# Altium PCB PCB1.PcbDoc
Units mil, origin at the board's own origin, x right, y up, seen from the top; angles counter-clockwise.
Board outline 3140 x 3140 mil, 2 copper layers (Top Layer, Bottom Layer); 51 components, 57 nets, 370 pads, 196 vias.
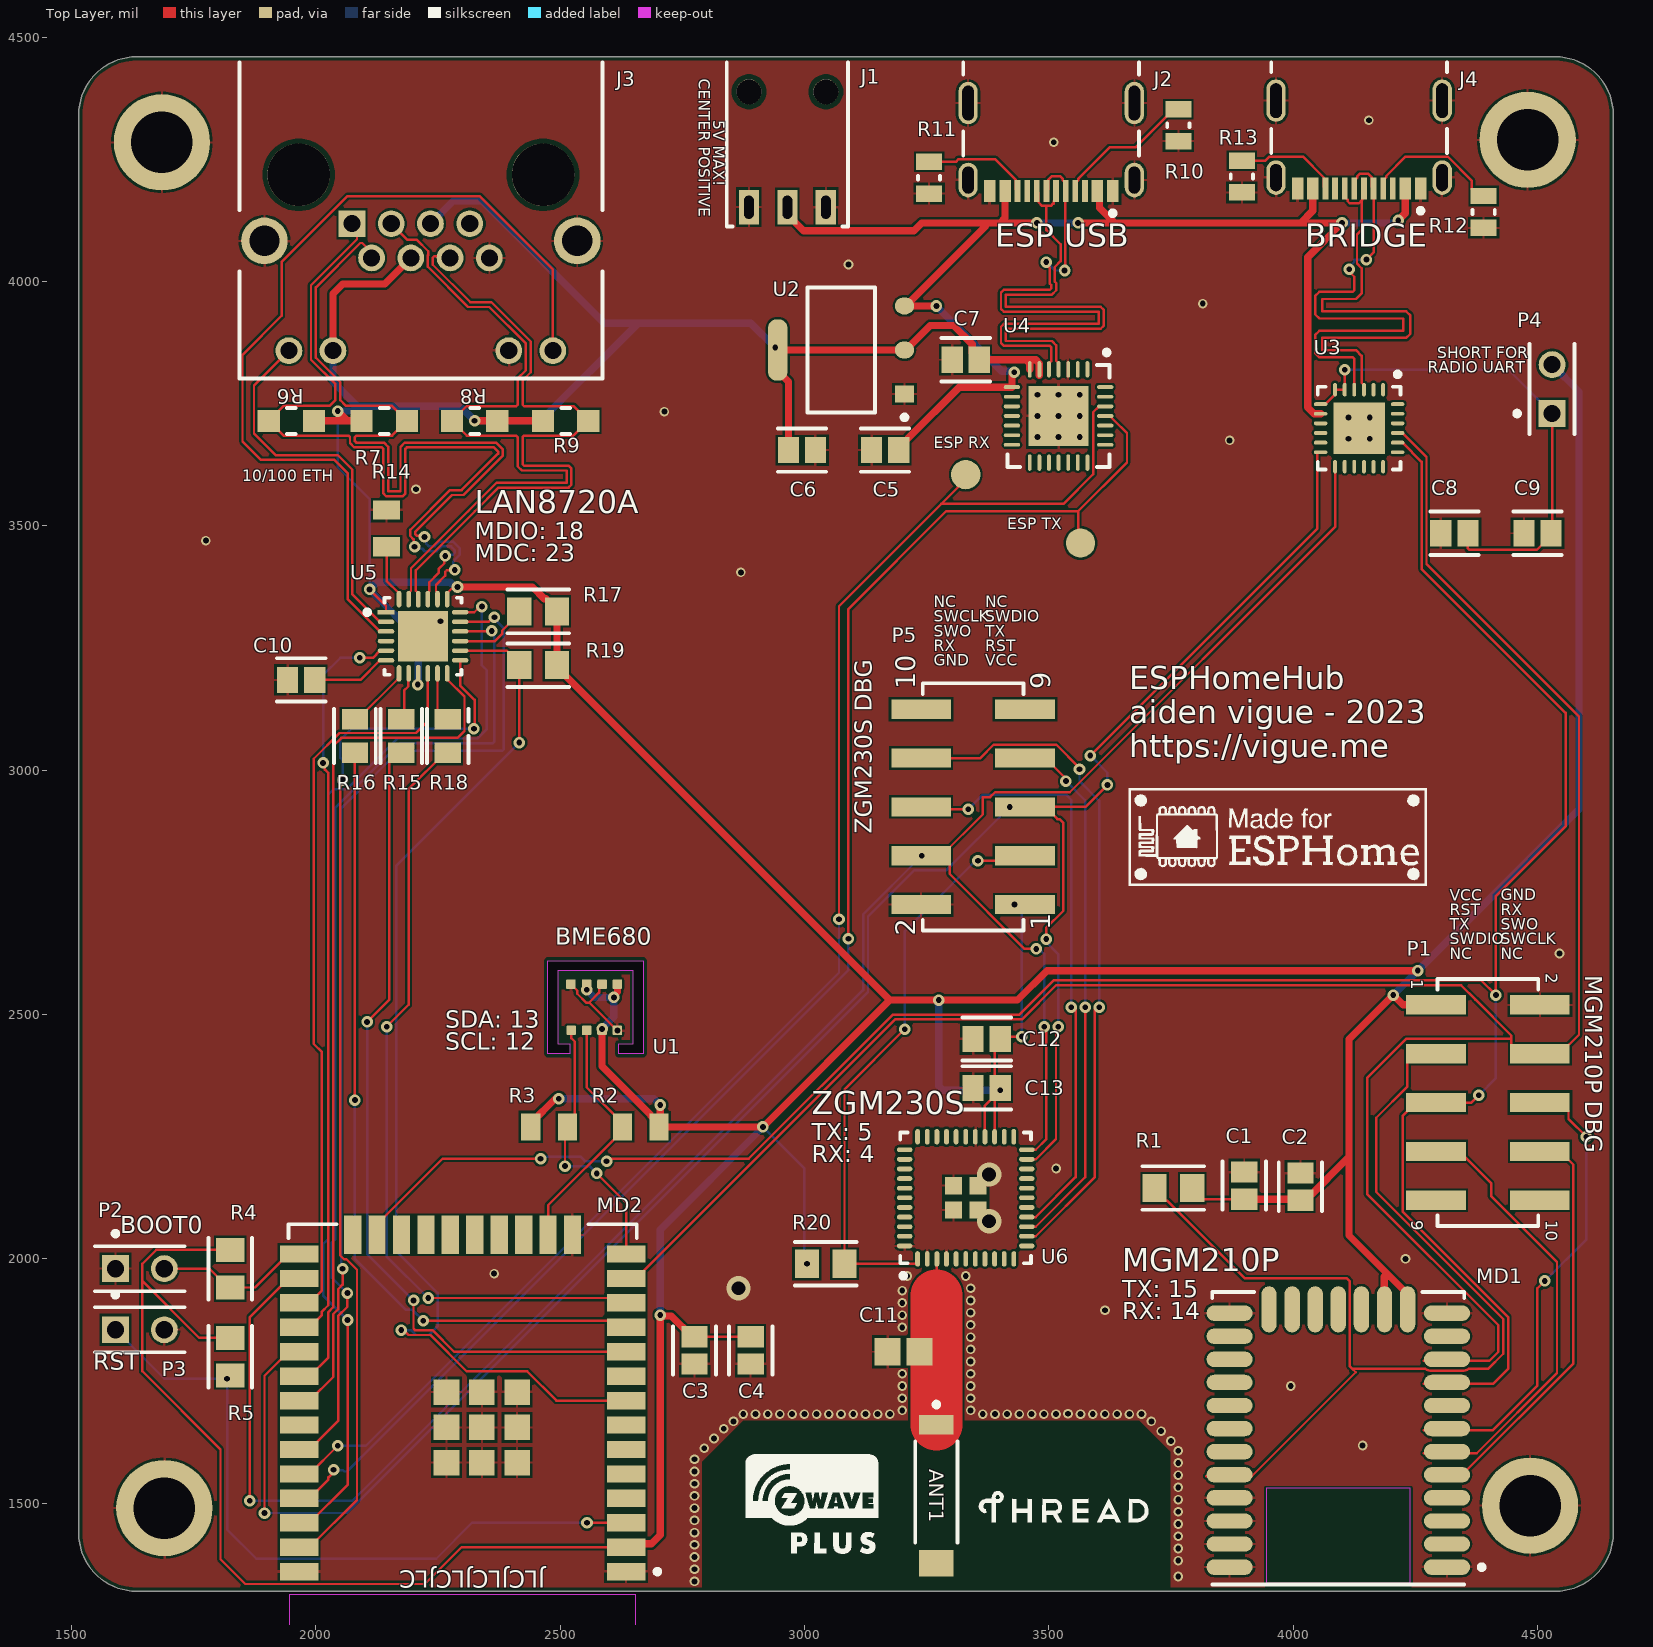
[diagram p0: Top Layer view]
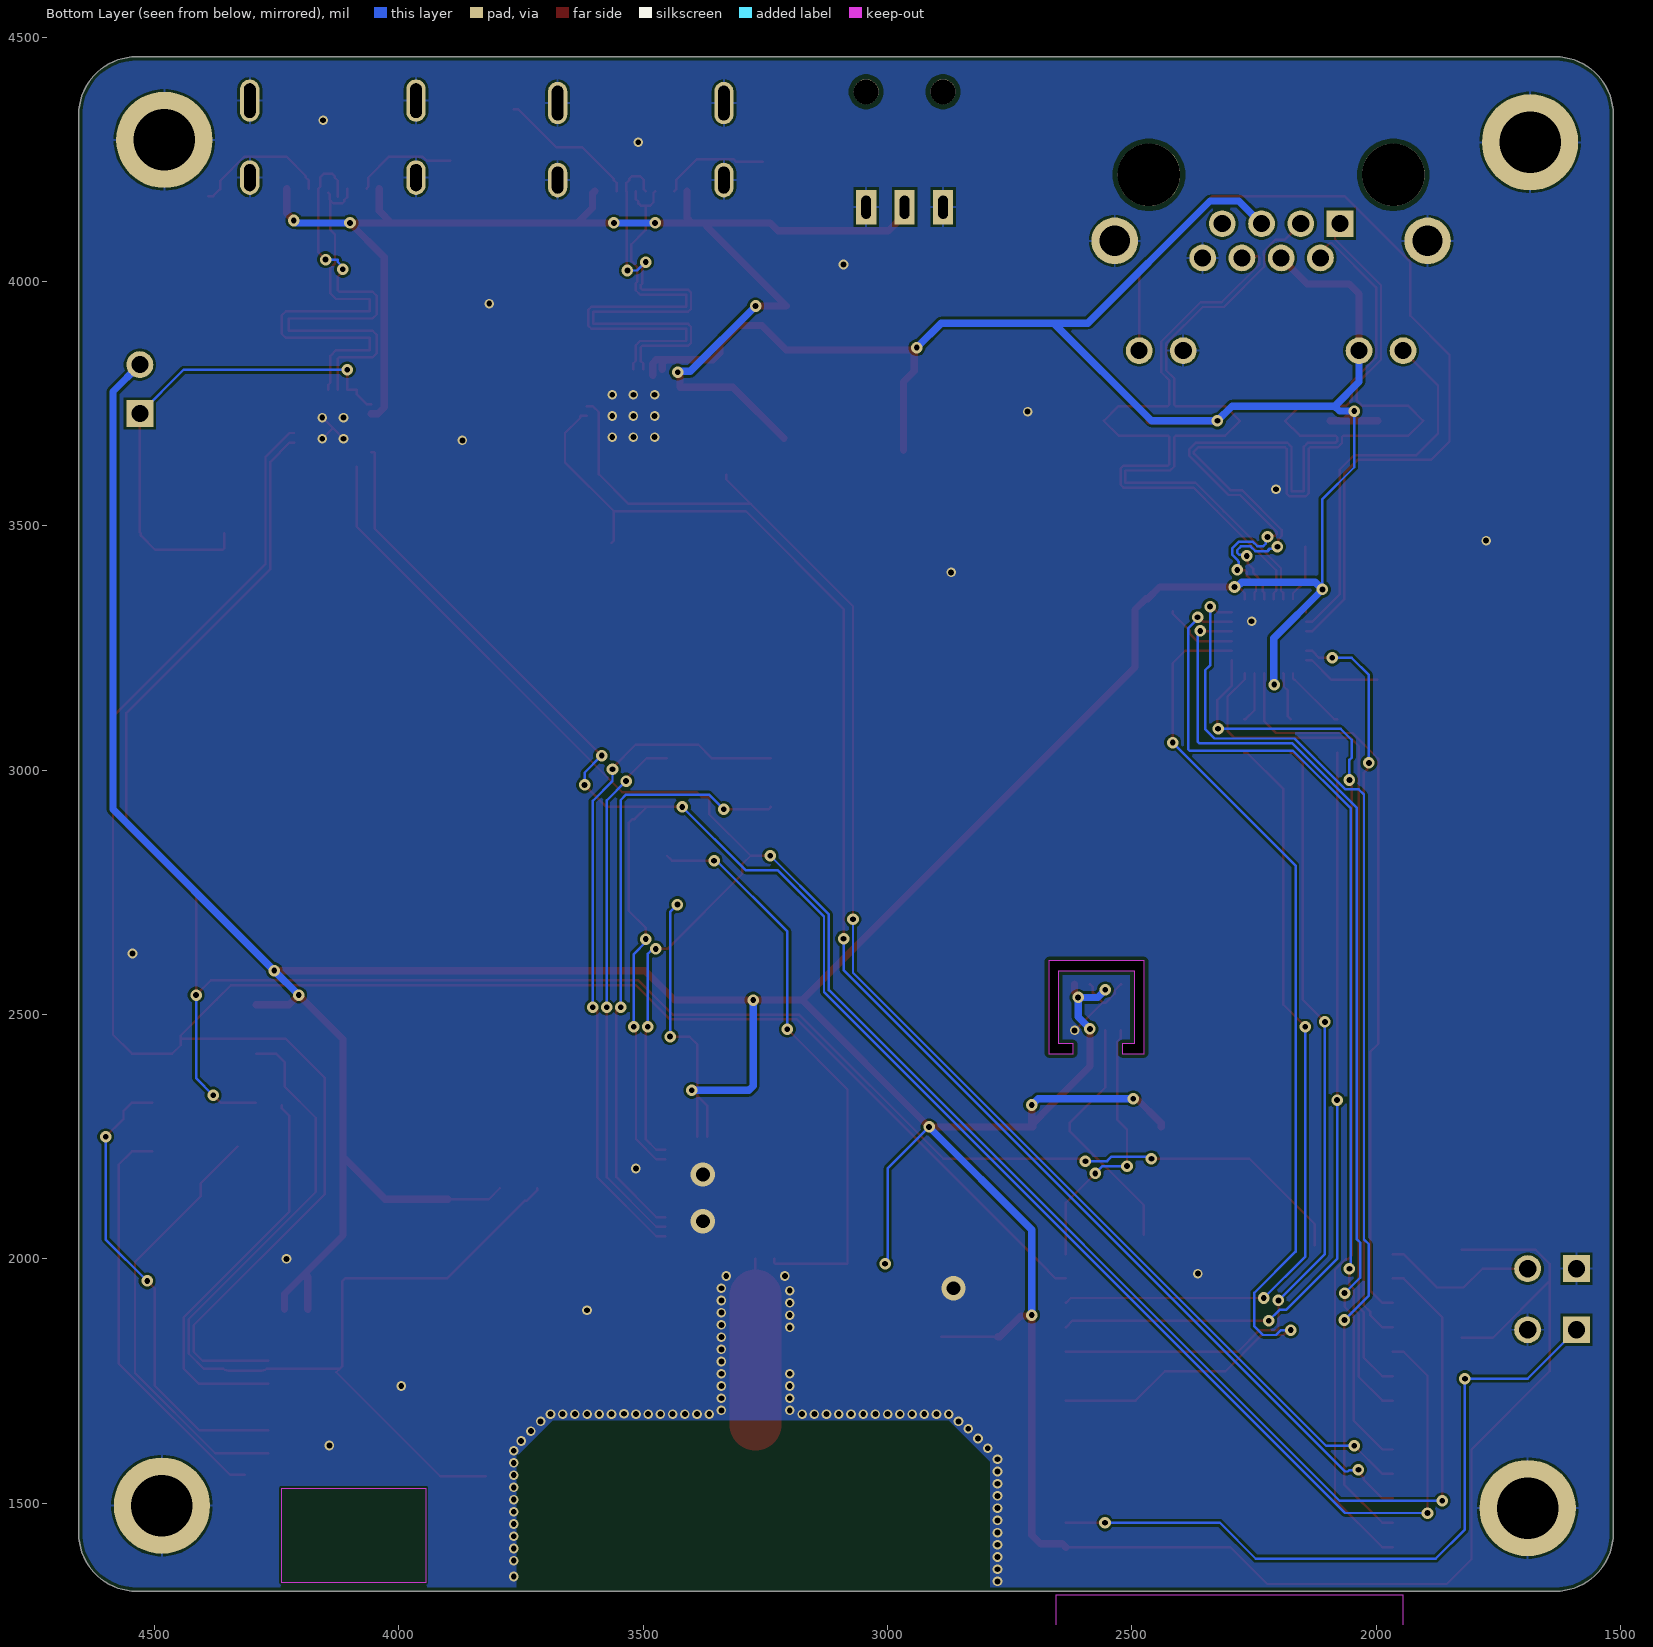
[diagram p1: Bottom Layer view, seen from below]
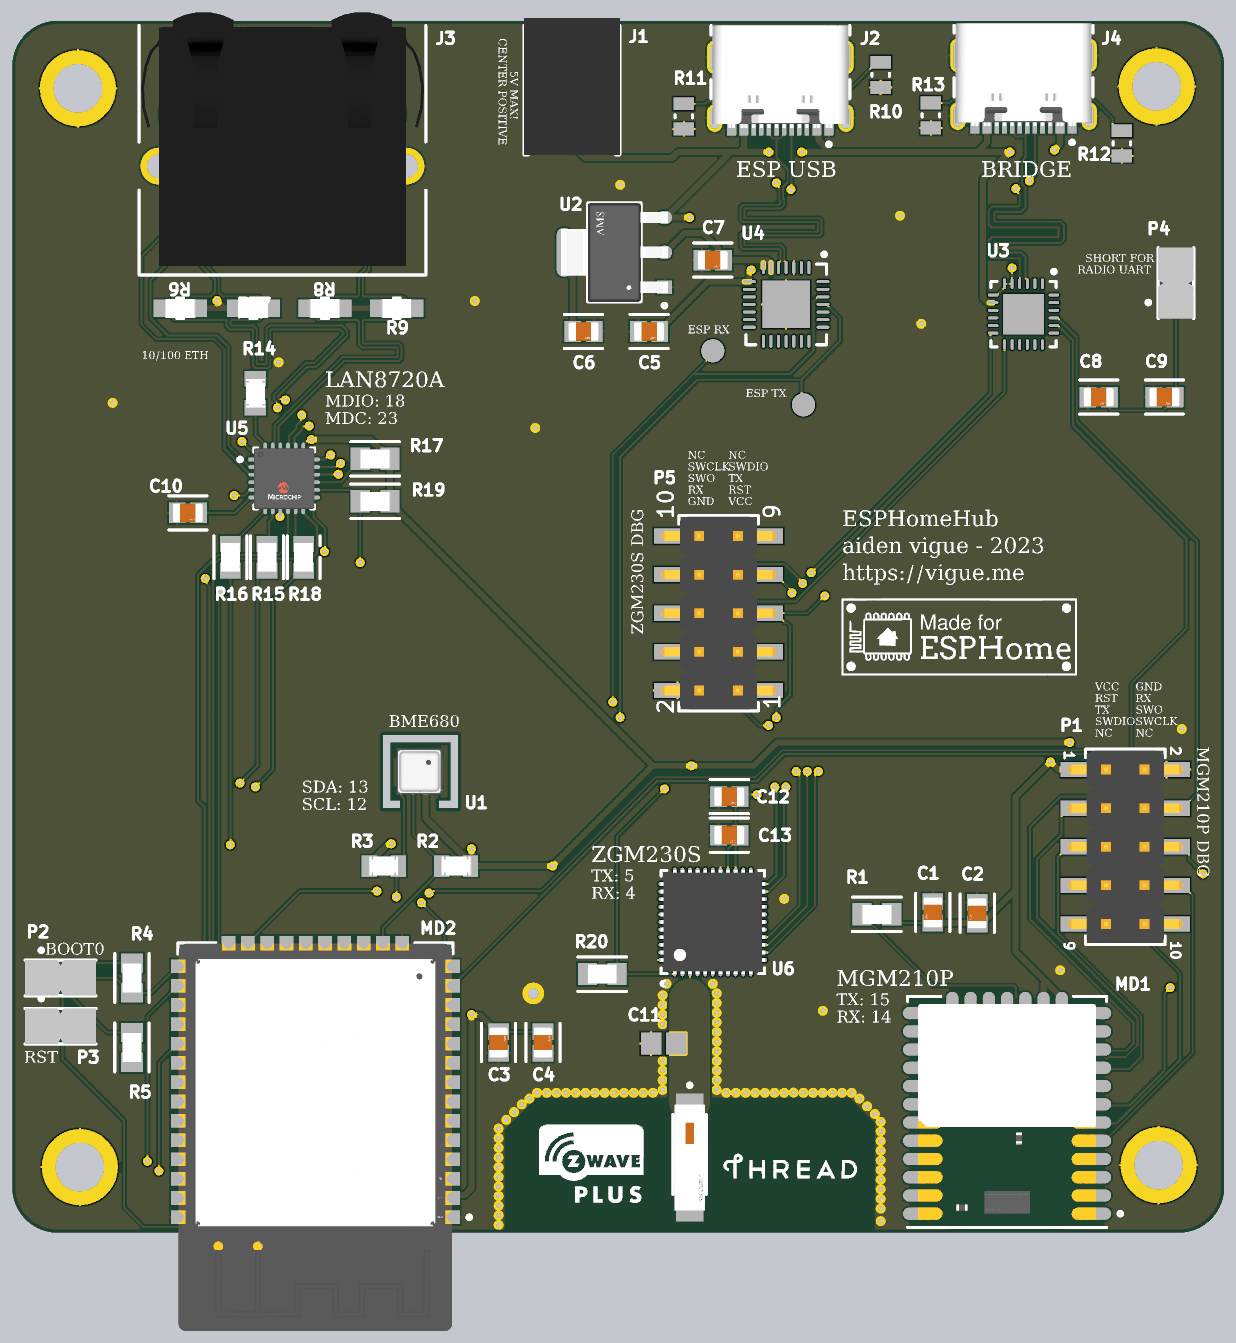
[diagram p2: 3D render of the assembled board from above, using the file's embedded part models]

## Layer stack, top to bottom
Top Solder: solder mask 0.4, Solder Resist, Dk 3.5
Top Layer: signal copper 1.4
Dielectric 1: dielectric 12.6, FR-4, Dk 4.8
Bottom Layer: signal copper 1.4
Bottom Solder: solder mask 0.4, Solder Resist, Dk 3.5

## Board outline
1515,1438.11 1515,4341.89 cw(c1633.11,4341.89) 1633.11,4460 4536.89,4460 cw(c4536.89,4341.89) 4655,4341.89 4655,1438.11 cw(c4536.89,1438.11) 4536.89,1320 1633.11,1320 cw(c1633.11,1438.11)
cut-out: 2520,2420 2475,2420 2475,2610 2670,2610 2670,2420 2620,2420 2620,2440 2650,2440 2650,2590 2495,2590 2495,2440 2520,2440

## Design rules (kind name [scope] priority, off if disabled: settings)
BoardOutlineClearance [All] p1: gap=7.87 ignorepadtopadclearanceinfootprint=FALSE
Clearance [All] p1: gap=5 ignorepadtopadclearanceinfootprint=FALSE except(9.84: Arc-Hole Track-Hole SMDPad-Hole THPad-Hole Via-Hole Fill-Hole Poly-Hole Region-Hole Text-Hole)
ComponentClearance [All] p1: gap=5 collisioncheckmode=3 verticalgap=5 showdistances=TRUE
DiffPairsRouting [All] p1: maxlimit=10 minlimit=5 mostfreqgap=5 toplayer_minwidth=5 toplayer_maxwidth=1000 toplayer_prefwidth=5 bottomlayer_minwidth=5 bottomlayer_maxwidth=1000 bottomlayer_prefwidth=5 maxuncoupledlength=500
Height [All] p1: minheight=0 maxheight=71497.94 prefheight=500
HoleSize [All] p1: absolutevalues=TRUE maxlimit=248.03 minlimit=11.81 maxpercent=80.000 minpercent=20.000
HoleToHoleClearance [All] p1: gap=9.84 allowstackedmicrovias=FALSE
MinimumAnnularRing [All] p1: minimumring=3
MinimumSolderMaskSliver [All] p1: minsoldermaskwidth=0
PlaneClearance [All] p1: clearance=5
PlaneConnect PlaneConnectPowerPads [InPadClass('PowerPads')] p1: planeconnectstyle=Direct reliefexpansion=20 reliefentries=4 reliefconductorwidth=10 reliefairgap=10
PlaneConnect [All] p2: pad.planeconnectstyle=Relief pad.reliefexpansion=11.81 pad.reliefentries=4 pad.reliefconductorwidth=5 pad.reliefairgap=5 via.planeconnectstyle=Direct via.reliefexpansion=11.81 via.reliefentries=4 via.reliefconductorwidth=5 via.reliefairgap=5
PolygonConnect PolygonConnectPowerPads [All vs (InPadClass('PowerPads'))] p1: connectstyle=Direct reliefconductorwidth=10 reliefentries=4 polygonreliefangle="90 Angle" airgapwidth=10
PolygonConnect [All] p2: thpad.connectstyle=Relief thpad.reliefconductorwidth=5 thpad.reliefentries=4 thpad.polygonreliefangle="90 Angle" thpad.airgapwidth=5 smdpad.connectstyle=Relief smdpad.reliefconductorwidth=5 smdpad.reliefentries=4 smdpad.polygonreliefangle="90 Angle" smdpad.airgapwidth=5 via.connectstyle=Direct via.reliefconductorwidth=5 via.reliefentries=4 via.polygonreliefangle="90 Angle" via.airgapwidth=5
RoutingVias [All] p1: holewidth=11.81 width=23.62 viastyle="Through Hole" minholewidth=11.81 minwidth=23.62 maxholewidth=23.62 maxwidth=259.84
SilkToSilkClearance [All] p1: silktosilkclearance=0
SilkToSolderMaskClearance [IsPad] p1: minsilkscreentomaskgap=5 clearancetoexposedcopper=TRUE
SolderMaskExpansion [All] p1: expansion=2.95 istentingtop=FALSE
Width [All] p1: maxlimit=1000 minlimit=5 preferedwidth=5 minimp=50.000000 maximp=50.000000 favimp=50.000000
20 further rules are at their usual default settings.

## Classes and differential pairs
component class "ZW Radio": ANT1 C11 C12 C13 P5 R20 U6
component class PHY: C10 R14 R15 R16 R17 R18 R19 U5
component class Connectors: J2 J3 J4 R6 R7 R8 R9 R10 R11 R12 R13
component class SerialConverter: C7 C8 C9 P4 U3 U4
component class ESP32: C3 C4 C5 C6 J1 MD2 P2 P3 R2 R3 R4 R5 U1 U2
component class "ZBT Radio": C1 C2 MD1 P1 R1
differential pair USBB_D: +USBB_D_P -USBB_D_N
differential pair USB_D: +USB_D_P -USB_D_N
differential pair ETX: +ETX_P -ETX_N
differential pair ERX: +ERX_P -ERX_N

## Components (designator, comment, footprint, x,y, rotation, side; value= is the part's Value field where it differs from the comment)
ANT1 "0900AT43A0070E" FP-0900AT43A0070E-MFG 3270,1515 r270 top
C1 "08055C104KAT2A" FP-0805-L_2_01_0_2-W_1_25-IPC_C 3900,2150 r270 top
C2 "08055C104KAT2A" FP-0805-L_2_01_0_2-W_1_25-IPC_C 4015,2147.79 r270 top
C3 "08055C104KAT2A" FP-0805-L_2_01_0_2-W_1_25-IPC_C 2775,1812.79 r90 top
C4 "08055C104KAT2A" FP-0805-L_2_01_0_2-W_1_25-IPC_C 2890,1812.79 r90 top
C5 "08055C104KAT2A" FP-0805-L_2_01_0_2-W_1_25-IPC_C 3165,3655 r0 top
C6 "08055C104KAT2A" FP-0805-L_2_01_0_2-W_1_25-IPC_C 2995,3655 r0 top
C7 "08055C104KAT2A" FP-0805-L_2_01_0_2-W_1_25-IPC_C 3330,3840 r0 top
C8 "08055C104KAT2A" FP-0805-L_2_01_0_2-W_1_25-IPC_C 4330,3485 r0 top
C9 "08055C104KAT2A" FP-0805-L_2_01_0_2-W_1_25-IPC_C 4500,3485 r0 top
C10 "08055C104KAT2A" FP-0805-L_2_01_0_2-W_1_25-IPC_C 1970,3185 r0 top
C11 "08055A2R2CAT2A" CAPC2013X94X50NL20T25 3202.48,1810 r0 top
C12 "08055C104KAT2A" FP-0805-L_2_01_0_2-W_1_25-IPC_C 3372.79,2450 r0 top
C13 "08055C104KAT2A" FP-0805-L_2_01_0_2-W_1_25-IPC_C 3372.79,2350 r0 top
J1 "694102304002" 694102304002 2965,4290 r180 top
J2 "217179-0001" FP-217179-0001-MFG 3505,4320 r180 top
J3 "2-406549-1" FP-2-406549-1-MFG 2215,4135 r180 top
J4 "217179-0001" FP-217179-0001-MFG 4135,4325 r180 top
MD1 "MGM210P022JIA2" FP-MGM210P022JIA2-MFG 4092.44,1633.07 r180 top
MD2 "ESP32-WROOM-32" FP-ESP32-WROOM-32-MFG 2300.35,1567.09 r180 top
P1 "61031021121" 61031021121 4398.7,2320 r270 top
P2 "5-146280-2" TECO-5-146280-2_V 1640,1980 r0 top
P3 "5-146280-2" TECO-5-146280-2_V 1640,1855 r0 top
P4 "5-146280-2" TECO-5-146280-2_V 4530,3780 r90 top
P5 "61031021121" 61031021121 3345,2925 r90 top
R1 "CR0805-FX-1002ELF" FP-CR0805-IPC_A 3755,2145 r180 top
R2 "CRCW08054K70FKEA" FP-CRCW0805-e3-IPC_B 2665,2270 r0 top
R3 "CRCW08054K70FKEA" FP-CRCW0805-e3-IPC_B 2477.56,2270 r180 top
R4 "CR0805-FX-1002ELF" FP-CR0805-IPC_A 1825,1980 r90 top
R5 "CR0805-FX-1002ELF" FP-CR0805-IPC_A 1825,1800 r90 top
R6 "CR0805-FX-49R9ELF" FP-CR0805-MFG 1950,3715 r0 top
R7 "CR0805-FX-49R9ELF" FP-CR0805-MFG 2140,3715 r180 top
R8 "CR0805-FX-49R9ELF" FP-CR0805-MFG 2325,3715 r0 top
R9 "CR0805-FX-49R9ELF" FP-CR0805-MFG 2511.26,3715 r180 top
R10 "CRCW08055K10JNEA" RESC2013X50X30LL20T20 3765,4320 r270 top
R11 "CRCW08055K10JNEA" RESC2013X50X30LL20T20 3255,4212.48 r270 top
R12 "CRCW08055K10JNEA" RESC2013X50X30LL20T20 4390,4142.52 r270 top
R13 "CRCW08055K10JNEA" RESC2013X50X30LL20T20 3895,4215 r270 top
R14 "CRCW080512K1FKEA" FP-CRCW0805-e3-IPC_B 2145,3495 r90 top
R15 "CR0805-FX-10R0ELF" FP-CR0805-IPC_B 2175,3070 r90 top
R16 "CR0805-FX-10R0ELF" FP-CR0805-IPC_B 2080,3070 r90 top
R17 "CR0805-FX-1002ELF" FP-CR0805-IPC_A 2455,3325 r0 top
R18 "CR0805-FX-10R0ELF" FP-CR0805-IPC_B 2270,3070 r90 top
R19 "CR0805-FX-1002ELF" FP-CR0805-IPC_A 2455,3215 r180 top
R20 "CR0805-FX-1002ELF" FP-CR0805-IPC_A 3043.46,1990 r180 top
U1 "BME680" PSON80P300X300X100-8N 2570,2515 r270 top
U2 "AMS1117-3.3" FP-AMS1117-IPC_C 3075,3860 r180 top
U3 "CP2105-F01-GM" SLAB-QFN-24-2675x2675TP_N 4135,3700 r270 top
U4 "CP2102-GM" SLAB-QFN-28-3125x3125TP_N 3520,3725 r270 top
U5 "LAN8720A-CP-ABC" FP-24-S4QFN-4x4B-0_5P-IPC_B 2219.53,3274.19 r0 top
U6 "ZGM230SA27HGN2R" QFN50P650X650X128_HS-45N 3330,2125 r90 top

## Footprints (in the part's own frame and the unit in brackets; to place one, negate y for a bottom-side part, rotate by r counter-clockwise, add the part's x,y. Pads: shape width x height; smd on the part's side, far side on the other; paste and mask are expansions set on the pad)
61031021121 [mm] "Pin Header, pitch 2.54 mm, SMD, Vertical, dual row, 10p"
  rect 1x3.1 smd: 1(-5.08,-2.7) 2(-5.08,2.7) 3(-2.54,-2.7) 4(-2.54,2.7) 5(0,-2.7) 6(0,2.7) 7(2.54,-2.7) 8(2.54,2.7) 9(5.08,-2.7) 10(5.08,2.7)
  silkscreen extent -6.42,-2.62 6.42,2.62, body extent -6.35,-3.75 6.35,3.75, height 9.62
694102304002 [mm] "DC Power Jack THT Right Angled Low Profile(3.8)"
  rect 1.05x1.8 hole 0.5 slot 1.2 at 90 deg: 1(0,3.5) 2(-2,3.5) 3(2,3.5)
  round 1.3 hole 1.3 unplated: MH1(-2,-2.5) MH2(2,-2.5)
  silkscreen extent -3.15,-4.02 3.15,4.5, body extent -3.15,-4.5 3.15,4.5, height 5.1
CAPC2013X94X50NL20T25 [mm] "Chip Capacitor, 2-Leads, Body 2.01x1.25mm, IPC Medium Density"
  rect 1.35x1.45 smd: 1(-0.825,0) 2(0.825,0)
  body extent -1.1,-0.72 1.11,0.72, height 0.94
FP-2-406549-1-MFG [mm]
  rect 1.39x1.39 hole 0.89 paste-1000 mask+0: 1(3.58,0.42)
  round 1.39 hole 0.89 paste-1000 mask+0: 2(2.56,2.2) 3(1.54,0.42) 4(0.52,2.2) 5(-0.5,0.42) 6(-1.52,2.2) 7(-2.54,0.42) 8(-3.56,2.2) 9(-6.86,7.02) 10(-4.57,7.02) 11(4.57,7.02) 12(6.86,7.02)
  round 2.42 hole 1.57 paste-1000 mask+0: 13(-8.13,1.31) 14(8.13,1.31)
  round 3.25 hole 3.25 unplated paste-1000 mask+0: ""(-6.35,-2.12) ""(6.35,-2.12)
  silkscreen extent -9.43,-7.95 9.43,8.48, body extent -9.53,-8.57 9.53,8.57, height 0.25
FP-24-S4QFN-4x4B-0_5P-IPC_B [mm]
  rect 0.861x0.239 smd paste+0 mask+0: 1(-1.926,1.25)
  rrect100% 0.861x0.239 smd paste+0 mask+0: 2(-1.926,0.75) 3(-1.926,0.25) 4(-1.926,-0.25) 5(-1.926,-0.75) 6(-1.926,-1.25) 13(1.926,-1.25) 14(1.926,-0.75) 15(1.926,-0.25) 16(1.926,0.25) 17(1.926,0.75) 18(1.926,1.25)
  rrect100% 0.239x0.861 smd paste+0 mask+0: 7(-1.25,-1.926) 8(-0.75,-1.926) 9(-0.25,-1.926) 10(0.25,-1.926) 11(0.75,-1.926) 12(1.25,-1.926) 19(1.25,1.926) 20(0.75,1.926) 21(0.25,1.926) 22(-0.25,1.926) 23(-0.75,1.926) 24(-1.25,1.926)
  rect 2.6x2.6 smd paste-1000 mask+0: 25(0,0)
  silkscreen extent -3.03,-2 2,2, body extent -2.61,-2.61 2.61,2.61, height 0.25
FP-0805-L_2_01_0_2-W_1_25-IPC_C [mil]
  rect 43.49x53.39 smd paste+0 mask+0: 1(-27.79,0) 2(27.79,0)
  silkscreen extent -50,-44 50,44, body extent -53,-32 53,32, height 10
FP-0900AT43A0070E-MFG [mm]
  rect 1x1.8 smd paste+0 mask+0: 1(-3.7,0)
  rect 1.4x1.8 smd paste+0 mask+0: 2(3.5,0)
  silkscreen extent -4.87,-1.1 2.42,1.1, body extent -4.3,-1.2 4.3,1.2, height 0.25
FP-217179-0001-MFG [mm]
  rrect100% 1x1.8 hole 1.4 slot 0.6 at 0 deg paste-1000 mask+0: 1(-4.32,2.85) 2(4.32,2.85)
  rrect100% 1x2.2 hole 1.8 slot 0.6 at 0 deg paste-1000 mask+0: 3(-4.32,-1.15) 4(4.32,-1.15)
  rect 0.6x1.15 smd paste+0 mask+0: A1-B12(-3.2,3.425) A4-B9(-2.4,3.425) B1-A12(3.2,3.425) B4-A9(2.4,3.425)
  rect 0.3x1.15 smd paste+0 mask+0: A5(-1.25,3.425) A6(-0.25,3.425) A7(0.25,3.425) A8(1.25,3.425) B5(1.75,3.425) B6(0.75,3.425) B7(-0.75,3.425) B8(-1.75,3.425)
  silkscreen extent -4.57,-3.26 4.57,4.7, body extent -4.92,-3.45 4.92,4.1, height 0.25
FP-AMS1117-IPC_C [mm]
  rect 1.004x0.872 smd paste+0 mask+0: 1(-3.295,2.29)
  rrect100% 1.004x0.872 smd paste+0 mask+0: 2(-3.295,0) 3(-3.295,-2.29)
  rrect87% 1.004x3.182 smd paste+0 mask+0: 4(3.295,0)
  silkscreen extent -3.42,-3.25 1.75,3.62, body extent -3.9,-3.35 3.9,3.35, height 0.25
FP-CR0805-IPC_A [mil]
  rect 49.53x57.56 smd paste+0 mask+0: 1(-38.46,0) 2(38.46,0)
  silkscreen extent -63,-45 63,45, body extent -83,-48 83,48, height 10
FP-CR0805-IPC_B [mil]
  rect 41.66x53.63 smd paste+0 mask+0: 1(-34.53,0) 2(34.53,0)
  silkscreen extent -55,-43 55,43, body extent -65,-37 65,37, height 10
FP-CR0805-MFG [mm]
  rect 1.15x1.15 smd paste+0 mask+0: 1(-1.175,0) 2(1.175,0)
  silkscreen extent -0.23,-0.67 0.23,0.67, body extent -1.85,-0.77 1.85,0.77, height 0.25
FP-CRCW0805-e3-IPC_B [mil]
  rect 39.63x55.44 smd paste+0 mask+0: 1(-37.44,0) 2(37.44,0)
  body extent -67,-38 67,38, height 10
FP-ESP32-WROOM-32-MFG [mm]
  rect 2x0.9 smd paste+0 mask+0: 1(-8.5,5.26) 2(-8.5,3.99) 3(-8.5,2.72) 4(-8.5,1.45) 5(-8.5,0.18) 6(-8.5,-1.09) 7(-8.5,-2.36) 8(-8.5,-3.63) 9(-8.5,-4.9) 10(-8.5,-6.17) 11(-8.5,-7.44) 12(-8.5,-8.71) 13(-8.5,-9.98) 14(-8.5,-11.25) 25(8.5,-11.25) 26(8.5,-9.98) 27(8.5,-8.71) 28(8.5,-7.44) 29(8.5,-6.17) 30(8.5,-4.9) 31(8.5,-3.63) 32(8.5,-2.36) 33(8.5,-1.09) 34(8.5,0.18) 35(8.5,1.45) 36(8.5,2.72) 37(8.5,3.99) 38(8.5,5.26)
  rect 0.9x2 smd paste+0 mask+0: 15(-5.715,-12.25) 16(-4.445,-12.25) 17(-3.175,-12.25) 18(-1.905,-12.25) 19(-0.635,-12.25) 20(0.635,-12.25) 21(1.905,-12.25) 22(3.175,-12.25) 23(4.445,-12.25) 24(5.715,-12.25)
  rect 1.33x1.33 smd paste+0 mask+0: 39(-2.835,-0.405) 39(-2.835,-4.075) 39(-2.835,-2.24) 39(-1,-0.405) 39(-1,-2.24) 39(-1,-4.075) 39(0.835,-0.405) 39(0.835,-2.24) 39(0.835,-4.075)
  Keep-Out Layer region: -9,6.45 9,6.45 9,12.75 -9,12.75
  Keep-Out Layer region: -9,6.45 9,6.45 9,12.75 -9,12.75
  silkscreen extent -10.25,-12.8 9.05,5.38, body extent -9.6,-13.35 9.6,12.9, height 0.25
FP-MGM210P022JIA2-MFG [mm]
  rrect100% 2.4x0.8 smd paste+0 mask+0: 1(-5.65,6.7) 2(-5.65,5.5) 3(-5.65,4.3) 4(-5.65,3.1) 5(-5.65,1.9) 6(-5.65,0.7) 7(-5.65,-0.5) 8(-5.65,-1.7) 9(-5.65,-2.9) 10(-5.65,-4.1) 11(-5.65,-5.3) 12(-5.65,-6.5) 20(5.65,-6.5) 21(5.65,-5.3) 22(5.65,-4.1) 23(5.65,-2.9) 24(5.65,-1.7) 25(5.65,-0.5) 26(5.65,0.7) 27(5.65,1.9) 28(5.65,3.1) 29(5.65,4.3) 30(5.65,5.5) 31(5.65,6.7)
  rrect100% 0.8x2.4 smd paste+0 mask+0: 13(-3.6,-6.7) 14(-2.4,-6.7) 15(-1.2,-6.7) 16(0,-6.7) 17(1.2,-6.7) 18(2.4,-6.7) 19(3.6,-6.7)
  Keep-Out Layer region: -3.75,2.6 3.75,2.6 3.75,7.5 -3.75,7.5
  Keep-Out Layer region: -3.75,2.6 3.75,2.6 3.75,7.5 -3.75,7.5
  silkscreen extent -7.58,-7.6 6.55,7.6, body extent -6.95,-8 6.95,7.7, height 0.25
PSON80P300X300X100-8N [mm]
  rrect25% 0.5x0.5 smd: 1(1.2,1.2) 2(1.2,0.4) 3(1.2,-0.4) 4(1.2,-1.2) 5(-1.2,-1.22) 6(-1.2,-0.4) 7(-1.2,0.4) 8(-1.2,1.2)
  body extent -1.5,-1.5 1.5,1.5, height 1
QFN50P650X650X128_HS-45N [mm] "QFN, 44-Leads, Body 6.50x6.50mm, Pitch 0.50mm, Thermal Pad 0.90x0.90mm, IPC Medium Density"
  oval 0.8x0.25 smd: 1(-3.175,2.5) 2(-3.175,2) 3(-3.175,1.5) 4(-3.175,1) 5(-3.175,0.5) 6(-3.175,0) 7(-3.175,-0.5) 8(-3.175,-1) 9(-3.175,-1.5) 10(-3.175,-2) 11(-3.175,-2.5) 23(3.175,-2.5) 24(3.175,-2) 25(3.175,-1.5) 26(3.175,-1) 27(3.175,-0.5) 28(3.175,0) 29(3.175,0.5) 30(3.175,1) 31(3.175,1.5) 32(3.175,2) 33(3.175,2.5)
  oval 0.25x0.8 smd: 12(-2.5,-3.175) 13(-2,-3.175) 14(-1.5,-3.175) 15(-1,-3.175) 16(-0.5,-3.175) 17(0,-3.175) 18(0.5,-3.175) 19(1,-3.175) 20(1.5,-3.175) 21(2,-3.175) 22(2.5,-3.175) 34(2.5,3.175) 35(2,3.175) 36(1.5,3.175) 37(1,3.175) 38(0.5,3.175) 39(0,3.175) 40(-0.5,3.175) 41(-1,3.175) 42(-1.5,3.175) 43(-2,3.175) 44(-2.5,3.175)
  rect 0.9x0.9 smd: 45(-0.635,0.635) 46(0.635,0.635) 47(-0.635,-0.635) 48(0.635,-0.635)
  silkscreen extent -4.17,-3.4 3.4,3.4, body extent -3.43,-3.43 3.43,3.43, height 1.28
RESC2013X50X30LL20T20 [mm] "Chip Resistor, 2-Leads, Body 2.00x1.25mm, IPC High Density"
  rect 0.85x1.35 smd: 1(-0.825,0) 2(0.825,0)
  silkscreen extent -0.1,-0.58 0.1,0.58, body extent -1.1,-0.72 1.1,0.72, height 0.5
SLAB-QFN-24-2675x2675TP_N [mm] "QFN, 24-Leads, Body 4x4mm, Pitch 0.5mm, Thermal Pad 2.68x2.68mm, IPC Medium Density"
  oval 0.7x0.2 smd: 1(-2,1.25) 2(-2,0.75) 3(-2,0.25) 4(-2,-0.25) 5(-2,-0.75) 6(-2,-1.25) 13(2,-1.25) 14(2,-0.75) 15(2,-0.25) 16(2,0.25) 17(2,0.75) 18(2,1.25)
  oval 0.2x0.7 smd: 7(-1.25,-2) 8(-0.75,-2) 9(-0.25,-2) 10(0.25,-2) 11(0.75,-2) 12(1.25,-2) 19(1.25,2) 20(0.75,2) 21(0.25,2) 22(-0.25,2) 23(-0.75,2) 24(-1.25,2)
  rect 2.68x2.68 smd: 25(0,0)
  silkscreen extent -2.92,-2.15 2.15,2.15, body extent -2,-2 2,2, height 0.8
SLAB-QFN-28-3125x3125TP_N [mm] "QFN, 28-Leads, Body 5x5mm, Pitch 0.5mm, Thermal Pad 3.13x3.13mm, IPC Medium Density"
  oval 0.85x0.2 smd: 1(-2.425,1.5) 2(-2.425,1) 3(-2.425,0.5) 4(-2.425,0) 5(-2.425,-0.5) 6(-2.425,-1) 7(-2.425,-1.5) 15(2.425,-1.5) 16(2.425,-1) 17(2.425,-0.5) 18(2.425,0) 19(2.425,0.5) 20(2.425,1) 21(2.425,1.5)
  oval 0.2x0.85 smd: 8(-1.5,-2.425) 9(-1,-2.425) 10(-0.5,-2.425) 11(0,-2.425) 12(0.5,-2.425) 13(1,-2.425) 14(1.5,-2.425) 22(1.5,2.425) 23(1,2.425) 24(0.5,2.425) 25(0,2.425) 26(-0.5,2.425) 27(-1,2.425) 28(-1.5,2.425)
  rect 3.13x3.13 smd: 29(0,0)
  silkscreen extent -3.42,-2.65 2.65,2.65, body extent -2.5,-2.5 2.5,2.5, height 1
TECO-5-146280-2_V [mm] "Connector, 2-Leads, Body 4.67x2.34mm, Pitch 2.54mm"
  rect 1.4x1.4 hole 0.89: 1(-1.27,0)
  round 1.4 hole 0.89: 2(1.27,0)
  silkscreen extent -2.34,-1.17 2.34,1.94, body extent -2.34,-1.17 2.34,1.17, height 5.33
